# Altium PCB main.PcbDoc (part 2 of 5) (continued)
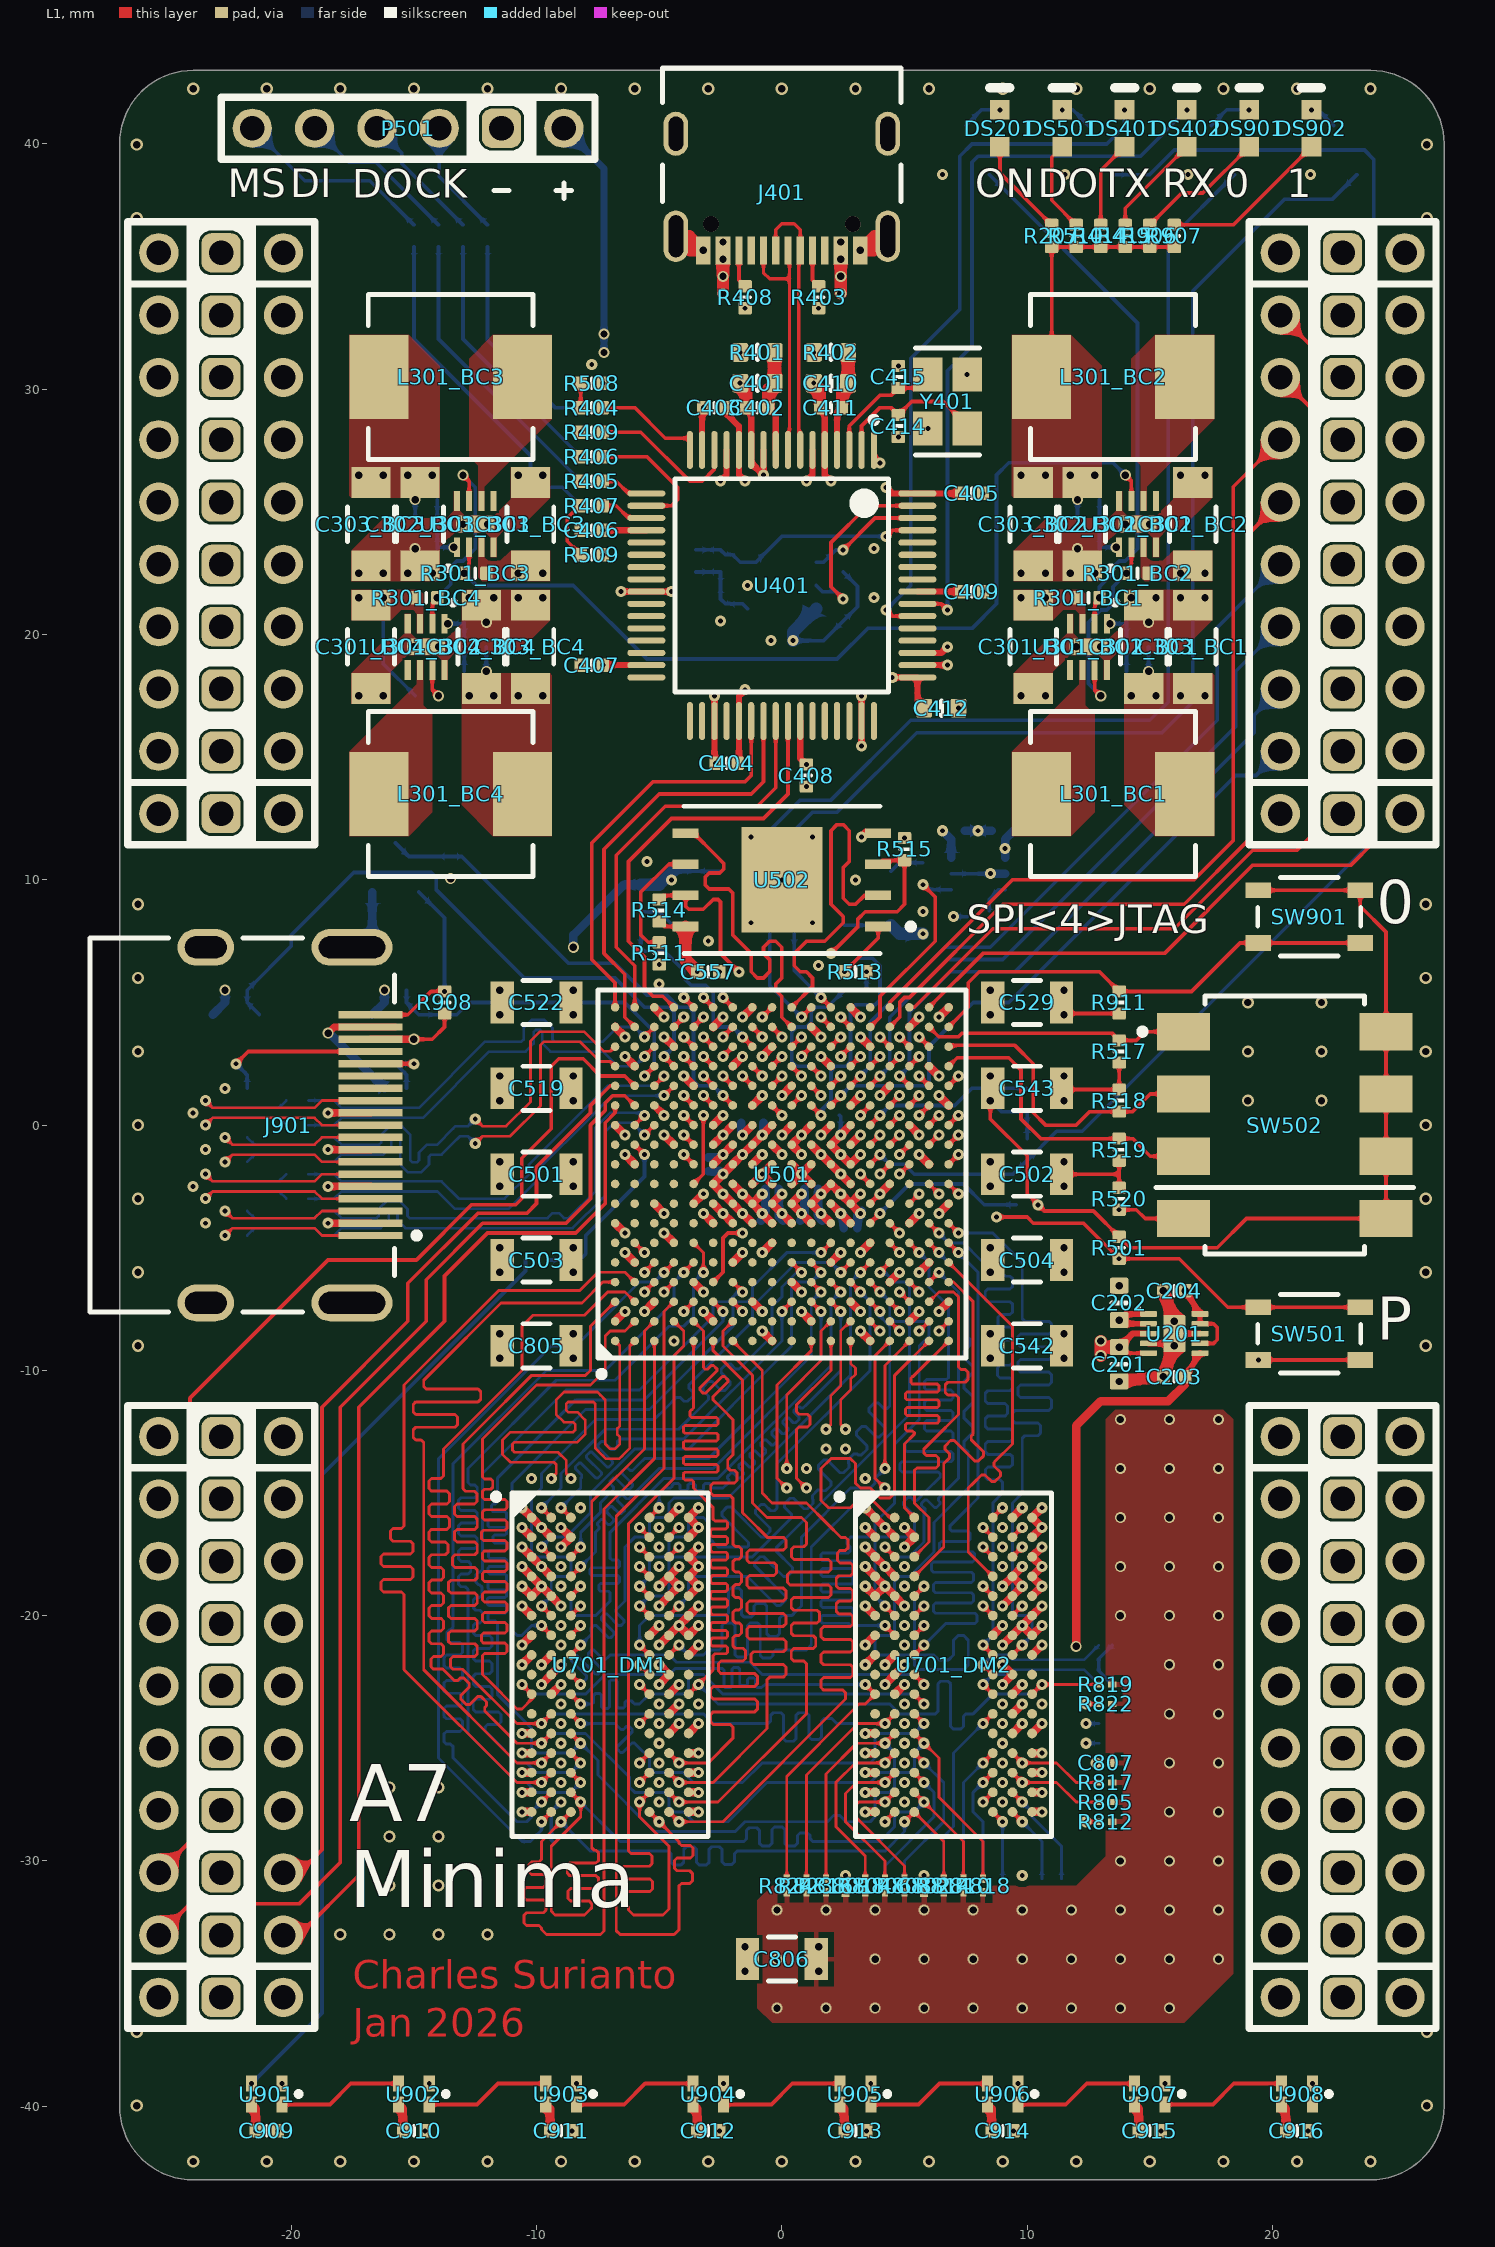
[diagram p0: L1 view]
## Nets (pads, with @x,y where several pads share a name; then routed paths per layer and width w, separated by ;. In a path a pad name is that pad's centre, name@x,y a point inside that pad or via, vN(x,y) a via of type N, cw(c..) or ccw(c..) an arc to the next point about the centre after c; other vN are vias at no path point)
"+0.75 VTT": C201.1 C801.1 C802.1 C803.1 C804.1 C806.1 C807.1 C808.1 C809.1 R801.2 R802.2 R803.2 R804.2 R805.2 R806.2 R807.2 R808.2 R809.2 R810.2 R811.2 R812.2 R813.2 R814.2 R815.2 R816.2 R817.2 R818.2 R819.2 R820.2 R821.2 R822.2 R823.2 R824.2 U201.3 U201.5 | length 4.1
  L1 w0.15: v2(13.75,-9.05) 14,-9.3 U201.5@14.95,-9.3
  L1 w0.25: v2(13.75,-9.05) 14.3,-8.5 U201.3@14.95,-8.5
  L1 w0.5: v2(13,-9.4) 13,-9.1 ; v2(13,-8.8) 13,-9.1 ; v2(13.75,-9.05) 13.05,-9.05 13,-9.1
  other v2: -0.2,-36 1.8,-36 3.8,-36 5.8,-36 7.8,-36 9.8,-36 11.8,-36 13.8,-36 15.8,-36 1.5,-34.5 -0.2,-34 3.8,-34 5.8,-34 7.8,-34 9.8,-34 11.8,-34 13.8,-34 15.8,-34 17.8,-34 1.5,-33.5 -0.2,-32 1.8,-32 3.8,-32 5.8,-32 7.8,-32 9.8,-32 11.8,-32 13.8,-32 15.8,-32 17.8,-32 13.8,-30 15.8,-30 17.8,-30 15.8,-28 17.8,-28 15.8,-26 17.8,-26 15.8,-24 17.8,-24 15.8,-22 17.8,-22 13.8,-20 15.8,-20 17.8,-20 13.8,-18 15.8,-18 17.8,-18 13.8,-16 15.8,-16 17.8,-16 13.8,-14 15.8,-14 17.8,-14 13.8,-12 15.8,-12 17.8,-12
"+0.75 VTTREF": C203.1 U201.6 U701_DM1.H1 U701_DM1.M8 U701_DM2.H1 U701_DM2.M8 | length 46.1
  L1 w0.25: C203.1@16.45,-10.25 U201.6@17.05,-9.3
  L1 w0.35: v5(-10.6,-22) U701_DM1.H1@-10.2,-21.6 ; U701_DM1.M8@-4.6,-24.8 v5(-4.2,-24.4) ; v5(3.4,-22) U701_DM2.H1@3.8,-21.6 ; U701_DM2.M8@9.4,-24.8 v5(9.8,-24.4) ; v7(12,-21.25) 12,-12.25 13,-11.25 15.75,-11.25 16.45,-10.55 C203.1@16.45,-10.25
  L3 w0.2: v5(-10.6,-22) -10.2,-22.4 -7,-22.4 -6.1,-23.3 -5.5,-23.3 -5.4,-23.2 -3.8,-23.2 ; v5(-4.2,-24.4) -4.2,-24.2 -3.8,-23.8 -3.8,-23.2 ; v5(3.4,-22) 3.4,-22.4 ; v5(9.8,-24.4) 10.2,-24 10.2,-23.2 ; v7(12,-21.25) 12,-22 11.1,-22.9 10.8,-23.2 10.2,-23.2 ; -3.8,-23.2 2.2,-23.2 3,-22.4 3.4,-22.4 ; 3.4,-22.4 6.6,-22.4 7.5,-23.3 8.5,-23.3 8.6,-23.2 10.2,-23.2
+1.0: C302_BC4.1 C303_BC4.1 C304_BC4.1 C501.1 C502.1 C503.1 C504.1 C505.1 C506.1 C507.1 C508.1 C509.1 C510.1 C511.1 C512.1 C513.1 C514.1 C515.1 C516.1 C517.1 C518.1 C519.1 C520.1 C521.1 L301_BC4.2 R201.1 U501.F8 U501.F10 U501.G7 U501.G9 U501.G11 U501.H8 U501.J7 U501.J11 U501.K8 U501.L7 U501.L11 U501.M8 U501.M10 U501.N7 U501.N9 U501.N11 | length 16.5
  L1 w0.35: U501.F8@-2.8,-3.2 v1(-2.4,-3.6) U501.G7@-2,-4 ; U501.F10@-2.8,-1.6 v1(-2.4,-1.2) U501.G11@-2,-0.8 ; U501.G9@-2,-2.4 U501.H8@-1.2,-3.2 ; v1(-0.8,-2.8) U501.H8@-1.2,-3.2 ; U501.J7@-0.4,-4 v1(-0.8,-3.6) U501.H8@-1.2,-3.2 ; U501.J11@-0.4,-0.8 v1(0,-1.2) ; v1(0.8,-2.8) U501.K8@0.4,-3.2 v1(0.8,-3.6) U501.L7@1.2,-4 ; U501.L11@1.2,-0.8 U501.M10@2,-1.6 U501.N9@2.8,-2.4 ; U501.M8@2,-3.2 v1(2.4,-3.6) U501.N7@2.8,-4 ; U501.N11@2.8,-0.8 v1(3.2,-0.4)
  L8 w0.15: v2(-12.05,18.5) R201.1@-12.05,19.5
  L8 w0.35: C521.1@-3,-1.32 -2.52,-1.32 v1(-2.4,-1.2) ; C508.1@-0.85,-3.9 -0.68,-3.73 C516.1@-0.68,-3.2 C512.1@-0.68,-2.6 ; C509.1@0.75,-3.9 0.92,-3.73 C517.1@0.92,-3.2 C513.1@0.92,-2.6 ; C510.1@2.35,-3.5 2.52,-3.67 C518.1@2.52,-4.2
  other v1: -1.6,-2.8 2.4,-2 1.6,-1.2
  other v2: -8.5,-6 8.5,-6 -8.5,-5 8.5,-5 -8.5,-2.5 8.5,-2.5 -8.5,-1.5 8.5,-1.5 -8.5,1 -8.5,2 -12.75,17.5 -11.75,17.5 -10.75,17.5 -9.75,17.5
"+1.5 DDR3": C202.1 C302_BC1.1 C303_BC1.1 C304_BC1.1 C536.1 C537.1 C538.1 C539.1 C540.1 C541.1 C542.1 C550.1 C551.1 C552.1 C553.1 C554.1 C555.1 C602.1 C701_DM1.1 C701_DM2.1 C702_DM1.1 C702_DM2.1 C703_DM1.1 C703_DM2.1 C704_DM1.1 C704_DM2.1 C705_DM1.1 C705_DM2.1 C706_DM1.1 C706_DM2.1 C707_DM1.1 C707_DM2.1 C708_DM1.1 C708_DM2.1 C709_DM1.1 C709_DM2.1 C710_DM1.1 C710_DM2.1 C711_DM1.1 C711_DM2.1 C712_DM1.1 C712_DM2.1 C713_DM1.1 C713_DM2.1 C714_DM1.1 C714_DM2.1 C715_DM1.1 C715_DM2.1 C716_DM1.1 C716_DM2.1 C717_DM1.1 C717_DM2.1 C718_DM1.1 C718_DM2.1 C805.1 L301_BC1.2 R209.1 U201.1 U201.2 U501.A7 U501.C3 U501.D6 U501.F2 U501.G5 U501.J1 U501.K4 U501.N3 U501.P6 U501.T2 U501.U5 U501.V8 U601.1 U701_DM1.A1 U701_DM1.A8 U701_DM1.B2 U701_DM1.C1 U701_DM1.C9 U701_DM1.D2 U701_DM1.D9 U701_DM1.E9 U701_DM1.F1 U701_DM1.G7 U701_DM1.H2 U701_DM1.H9 U701_DM1.K2 U701_DM1.K8 U701_DM1.N1 U701_DM1.N9 U701_DM1.R1 U701_DM1.R9 U701_DM2.A1 U701_DM2.A8 U701_DM2.B2 U701_DM2.C1 U701_DM2.C9 U701_DM2.D2 U701_DM2.D9 U701_DM2.E9 U701_DM2.F1 U701_DM2.G7 U701_DM2.H2 U701_DM2.H9 U701_DM2.K2 U701_DM2.K8 U701_DM2.N1 U701_DM2.N9 U701_DM2.R1 U701_DM2.R9 | length 36.3
  L1 w0.24: U201.2@14.95,-8.1 13.9,-8.1 v2(13.75,-7.95) 14,-7.7 U201.1@14.95,-7.7
  L1 w0.35: v1(-10.6,-27.2) U701_DM1.R1@-10.2,-27.2 ; v1(-10.6,-25.6) U701_DM1.N1@-10.2,-25.6 ; v1(-10.6,-19.6) U701_DM1.F1@-10.2,-20 ; v1(-10.6,-17.2) U701_DM1.C1@-10.2,-17.6 v1(-9.8,-18) U701_DM1.D2@-9.4,-18.4 ; v1(-10.6,-15.6) U701_DM1.A1@-10.2,-16 v1(-9.8,-16.4) U701_DM1.B2@-9.4,-16.8 ; v1(-9.8,-22) U701_DM1.H2@-9.4,-21.6 ; U701_DM1.K2@-9.4,-23.2 v1(-9,-22.8) ; U501.A7@-6.8,-4 v1(-6.4,-4.4) ; v1(-5.6,-7.6) U501.C3@-5.2,-7.2 ; U701_DM1.G7@-5.4,-20.8 v1(-5,-20.4) ; v1(-4.8,-4.4) U501.D6@-4.4,-4.8 ; U701_DM1.K8@-4.6,-23.2 v1(-4.2,-22.8) ; U701_DM1.A8@-4.6,-16 v1(-4.2,-15.6) ; U701_DM1.R9@-3.8,-27.2 v1(-3.4,-27.2) ; U701_DM1.N9@-3.8,-25.6 v1(-3.4,-25.6) ; U701_DM1.H9@-3.8,-21.6 v1(-3.4,-21.2) ; U701_DM1.E9@-3.8,-19.2 v1(-3.4,-18.8) U701_DM1.D9@-3.8,-18.4 v1(-3.4,-18) U701_DM1.C9@-3.8,-17.6 v1(-3.4,-17.2) ; v1(-3.2,-7.6) U501.F2@-2.8,-8 ; U501.G5@-2,-5.6 v1(-1.6,-5.2) ; v1(-0.8,-8.4) U501.J1@-0.4,-8.8 ; U501.K4@0.4,-6.4 v1(0.8,-6.8) ; U501.N3@2.8,-7.2 v1(3.2,-7.6) ; v1(3.2,-5.2) U501.P6@3.6,-4.8 ; v1(3.4,-27.2) U701_DM2.R1@3.8,-27.2 ; v1(3.4,-25.6) U701_DM2.N1@3.8,-25.6 ; v1(3.4,-19.6) U701_DM2.F1@3.8,-20 ; v1(3.4,-17.2) U701_DM2.C1@3.8,-17.6 v1(4.2,-18) U701_DM2.D2@4.6,-18.4 ; v1(3.4,-15.6) U701_DM2.A1@3.8,-16 v1(4.2,-16.4) U701_DM2.B2@4.6,-16.8 ; v1(4.2,-22) U701_DM2.H2@4.6,-21.6 ; U701_DM2.K2@4.6,-23.2 v1(5,-22.8) ; U501.T2@5.2,-8 v1(5.6,-7.6) ; v1(5.6,-6) U501.U5@6,-5.6 ; v1(6.4,-3.6) U501.V8@6.8,-3.2 ; U701_DM2.G7@8.6,-20.8 v1(9,-20.4) ; U701_DM2.K8@9.4,-23.2 v1(9.8,-22.8) ; U701_DM2.A8@9.4,-16 v1(9.8,-15.6) ; U701_DM2.R9@10.2,-27.2 v1(10.6,-27.2) ; U701_DM2.N9@10.2,-25.6 v1(10.6,-25.6) ; U701_DM2.H9@10.2,-21.6 v1(10.6,-21.2) ; U701_DM2.E9@10.2,-19.2 v1(10.6,-18.8) U701_DM2.D9@10.2,-18.4 v1(10.6,-18) U701_DM2.C9@10.2,-17.6 v1(10.6,-17.2)
  L4 w0.5: v1(9.1,11.275) 10.275,11.275
  L8 w0.15: v2(14.95,18.5) R209.1@14.95,19.5
  L8 w0.35: U601.1@9.1,10.9 v1(9.1,11.275) 9.1,11.65 C602.1@9.45,12
  other v2: -8.5,-9.5 8.5,-9.5 -8.5,-8.5 8.5,-8.5 14.25,17.5 15.25,17.5 16.25,17.5 17.25,17.5
+1.8: C302_BC3.1 C303_BC3.1 C304_BC3.1 C522.1 C523.1 C524.1 C525.1 C526.1 C527.1 C528.1 L301_BC3.2 R204.1 U501.E8 U501.F12 U501.H10 U501.H12 U501.K12 U501.M12 | length 4.9
  L1 w0.35: U501.E8@-3.6,-3.2 v1(-3.2,-2.8) ; U501.F12@-2.8,0 v1(-2.4,0.4) ; v1(-1.6,-0.4) U501.H12@-1.2,0 ; U501.H10@-1.2,-1.6 v1(-0.8,-1.2) ; v1(0,-0.4) U501.K12@0.4,0 ; v1(1.6,-0.4) U501.M12@2,0
  L8 w0.15: R204.1@-14.95,24.5 v2(-14.95,25.5)
  L8 w0.35: C524.1@-1.65,0.1 -1.65,-0.35 v1(-1.6,-0.4)
  other v2: -8.5,4.5 -8.5,5.5 -17.25,26.5 -16.25,26.5 -15.25,26.5 -14.25,26.5
"+1.8 FTDI_4": C403.1 C404.1 C405.1 C412.1 U401.12 U401.37 U401.49 U401.64 | length 12
  L1 w0.25: C403.1@-2.3,29.25 -2.3,29.05 -1.75,28.5 U401.12@-1.75,27.525 -1.75,26.5 v1(-1.5,26.25) ; C404.1@-1.8,14.75 -1.75,14.8 U401.37@-1.75,16.475 -1.75,17.5 v1(-1.5,17.75) ; v1(4.25,26) 4.5,25.75 U401.64@5.525,25.75 C405.1@7.3,25.75 ; v1(4.5,18.25) U401.49@5.525,18.25 5.525,17.275 C412.1@5.8,17
+3.3: C302_BC2.1 C303_BC2.1 C304_BC2.1 C406.1 C407.1 C408.1 C409.1 C413.1 C529.1 C530.1 C531.1 C532.1 C533.1 C534.1 C535.1 C543.1 C544.1 C545.1 C546.1 C547.1 C548.1 C549.1 C556.1 C557.1 C601.1 C603.1 C604.1 L301_BC2.2 P501.1 Q901.1 Q902.1 R206.1 R207.1 R401.1 R402.1 R409.1 R411.1 R412.1 R413.1 R414.1 R415.1 R501.1 R502.1 R503.1 R508.1 R509.1 R510.1 R512.1 R513.1 R514.1 R515.1 R521.1 R901.2 R902.2 R905.1 R906.1 R907.1 SW502.5 SW502.6 SW502.7 SW502.8 SW901.1 SW901.2 U401.20 U401.31 U401.42 U401.50 U401.56 U402.6 U501.A17 U501.B10 U501.C13 U501.D16 U501.G15 U501.H18 U501.K14 U501.L17 U501.N13 U501.P8 U501.P16 U501.R9 U501.T12 U501.U15 U501.V18 U502.8 U601.6 Y601.1 Y601.4 Y602.1 Y602.4 | length 122.2
  L1 w0.15: R514.1@-5,8.3 -4.795,8.095 U502.8@-3.926,8.095 ; U501.P8@3.6,-3.2 v1(4,-2.8) ; v2(8.5,1) 8.5,0.25 10,-1.25 10,-2.8 v1(10.45,-3.25) 10.7,-3.5 12.7,-3.5 R501.1@13.75,-4.55 14.2,-5 17.75,-5 18.94,-3.81 SW502.5@24.63,-3.81 SW502.6@24.63,-1.27 SW502.7@24.63,1.27 SW502.8@24.63,3.81 24.63,7.87 23.575,8.925 SW901.2@23.575,9.575 SW901.1@19.425,9.575 ; L301_BC2.2@10.579,30.5 11,30.921 R207.1@11,35.8 R510.1@12,35.8 R414.1@13,35.8 R415.1@14,35.8 R906.1@15,35.8 R907.1@16,35.8
  L1 w0.25: v1(-7.3,18.75) U401.31@-5.525,18.75 ; v1(-7.3,24.25) U401.20@-5.525,24.25 ; U401.42@0.75,16.475 0.75,14.95 v1(1,14.7) ; U401.50@5.525,18.75 v1(6.75,18.75) ; U401.56@5.525,21.75 v1(7.3,21.75)
  L1 w0.3: U501.C13@-5.2,0.8 v1(-4.8,0.4)
  L1 w0.35: U501.A17@-6.8,4 v1(-6.4,3.6) ; v1(-6.4,-1.2) U501.B10@-6,-1.6 ; v1(-4.8,3.6) U501.D16@-4.4,3.2 ; U501.G15@-2,2.4 v1(-1.6,2.8) ; v1(-1.6,4.4) U501.H18@-1.2,4.8 ; v1(0,1.2) U501.K14@0.4,1.6 ; U501.L17@1.2,4 v1(1.6,3.6) ; U501.N13@2.8,0.8 v1(3.2,1.2) ; v1(3.2,3.6) U501.P16@3.6,3.2 ; v1(4,-2.8) U501.R9@4.4,-2.4 ; U501.T12@5.2,0 v1(5.6,-0.4) ; U501.U15@6,2.4 v1(6.4,2) ; v1(6.4,4.4) U501.V18@6.8,4.8
  L1 w0.5: U502.8@-3.926,8.095 -3.926,6.726 v1(-3.45,6.25)
  L3 w0.35: v2(-22.7,5.5) v2(-16.2,5.5) -15.25,5.5 -13.5,7.25 ; v2(-13.5,10.05) -13.5,7.25 ; v2(-8.5,7.25) -13.5,7.25
  L8 w0.15: Y602.4@-4.45,10.35 Y602.1@-2.55,10.35 ; v1(0.45,19.75) 1.7,19.75 R411.1@2.5,20.55 3.086,21.136 3.086,21.964 R413.1@2.5,22.55 ; Y601.1@2.55,8.15 Y601.4@4.45,8.15 ; R521.1@3.45,5.5 v1(3.45,6.25) ; v2(8.5,1) 8.95,0.55 R512.1@10,0.55 R503.1@10,-0.55 ; R206.1@12.05,24.5 v2(12.05,25.5)
  L8 w0.3: P501.1@-8.89,40.64 -7.25,39 v2(-7.25,32.25) v2(-7.25,31.5)
  L8 w0.35: Q902.1@-23.2,4.5 -22.7,5 v2(-22.7,5.5) ; Q901.1@-16.7,4.5 -16.2,5 v2(-16.2,5.5) ; v2(-8.5,7.25) -8.5,7.75 -6.45,9.8 C604.1@-5.75,9.8 ; v1(6.55,12) 6.9,11.65 U601.6@6.9,10.9
  L8 w0.5: C604.1@-5.75,9.8 -5,9.8 Y602.4@-4.45,10.35 ; v1(0.45,19.75) 0.45,20.1 U402.6@1.4,21.05 ; Y601.4@4.45,8.15 4.8,7.8 v1(5.75,7.8)
  other v1: -4.5,10 5,11.7 -2.5,20.55 -7.3,23.25 -8.2,28.25 -7.3,30.25 -1.7,31.5 1.3,31.5
  other v2: 8.5,2 8.5,4.5 8.5,5.5 9.75,26.5 10.75,26.5 11.75,26.5 12.75,26.5
"+5 USB": C204.1 C301_BC1.1 C301_BC2.1 C301_BC3.1 C301_BC4.1 C909.1 C910.1 C911.1 C912.1 C913.1 C914.1 C915.1 C916.1 J401.A4-B9 J401.B4-A9 J901.18 J1001.1 J1001.10 J1002.1 J1002.10 J1003.1 J1003.10 J1004.1 J1004.10 J1005.1 J1005.10 J1006.1 J1006.10 J1007.1 J1007.10 J1008.1 J1008.10 R202.1 R301_BC1.1 R301_BC2.1 R301_BC3.1 R301_BC4.1 R903.1 R904.1 U201.7 U201.9 U201.10 U301_BC1.3 U301_BC2.3 U301_BC3.3 U301_BC4.3 U901.3 U902.3 U903.3 U904.3 U905.3 U906.3 U907.3 U908.3 | length 26.5
  L1 w0.15: U201.7@17.05,-8.9 17.6,-8.9 17.75,-8.75 17.75,-8.25 17.6,-8.1 U201.9@17.05,-8.1 U201.10@17.05,-7.7
  L1 w0.25: v2(16.45,-6.75) U201.10@17.05,-7.7
  L1 w0.3: v2(-18.5,3.75) -18.25,4 J901.18@-15.765,4
  L1 w0.35: U901.3@-21.625,-39.925 -21.45,-40.1 v1(-21.45,-41) ; U902.3@-15.625,-39.925 -15.45,-40.1 v1(-15.45,-41) ; U903.3@-9.625,-39.925 -9.45,-40.1 v1(-9.45,-41) ; U904.3@-3.625,-39.925 -3.45,-40.1 v1(-3.45,-41) ; U905.3@2.375,-39.925 2.55,-40.1 v1(2.55,-41) ; U906.3@8.375,-39.925 8.55,-40.1 v1(8.55,-41) ; U907.3@14.375,-39.925 14.55,-40.1 v1(14.55,-41) ; U908.3@20.375,-39.925 20.55,-40.1 v1(20.55,-41)
  L1 w0.5: v2(-2.4,33.9) v2(-2.4,34.6) v2(-2.4,35.3) J401.B4-A9@-2.4,35.66 ; v2(2.4,33.9) v2(2.4,34.6) v2(2.4,35.3)
  L8 w0.15: v2(-16.25,21.5) -16.25,18.8 R202.1@-14.95,17.5
  L8 w0.35: v2(-18.5,3.75) -18.45,3.75 R903.1@-16.2,1.5
  other v1: -22.7,1.5
  other v2: -17.25,21.5 9.75,21.5 10.75,21.5 -10.75,22.5 -9.75,22.5 16.25,22.5 17.25,22.5 -2.4,36 2.4,36
BUTTON_1: R911.1 SW901.3 SW901.4 U501.V17 | length 19.5
  L1 w0.15: U501.V17@6.8,4 7.6,4.8 7.6,5.8 8.05,6.25 12.95,6.25 13.55,5.65 13.55,5.625 13.725,5.45 R911.1@13.75,5.45 16.7,5.45 18.675,7.425 SW901.3@19.425,7.425 SW901.4@23.575,7.425
CC1_4: J401.A5 R403.1 | length 1.6
  L1 w0.15: J401.A5@1.25,35.66 1.25,34.45 R403.1@1.5,34.2
CC2_4: J401.B5 R408.1 | length 1.6
  L1 w0.15: J401.B5@-1.75,35.66 -1.75,34.45 R408.1@-1.5,34.2
CCLK_6: R511.1 U501.E9 | length 10
  L1 w0.15: U501.E9@-3.6,-2.4 -3.2,-2 v3(-3.2,0.4)
  L6 w0.15: v3(-5,6.55) -4.05,5.6 -3.8,5.6 -3.6,5.4 -3.6,0.8 v3(-3.2,0.4)
CLK27M_1: R603.2 U501.H16 | length 7.7
  L1 w0.15: v1(-1.6,3.6) U501.H16@-1.2,3.2
  L8 w0.15: R603.2@-5.75,7.8 -5.75,7.25 -5.588,7.088 -4.788,7.088 -4,6.3 -4,6 -3.7,5.7 -3.1,5.7 -3,5.6 -2.8,5.4 -2.8,4.2 -2.6,4 -2,4 v1(-1.6,3.6)
CLK50M1V5_1: R602.2 U501.F4 | length 21
  L1 w0.15: U501.F4@-2.8,-6.4 -2.4,-6 -2.4,-4.6 -2.2,-4.4 v3(-1.6,-4.4)
  L6 w0.15: v3(-1.6,-4.4) -1.2,-4 -1.2,-3.4 -1,-3.2 -0.6,-3.2 -0.4,-3 -0.4,-2.4 0.4,-1.6 0.4,-1 0.6,-0.8 1,-0.8 1.2,-0.6 1.2,3 1.4,3.2 1.8,3.2 2,3.4 2,3.8 2.2,4 2.6,4 2.8,4.2 2.8,4.6 3,4.8 3.3,4.8 4.1,5.6 v3(7,8.5)
  L8 w0.15: v3(7,8.5) R602.2@7.55,8.5
CLK50M_1: R601.2 U501.P17 U601.4 | length 8.3
  L1 w0.15: U501.P17@3.6,4 4,4.4 4,5.25 6.25,7.5 6.25,9.3 v1(5.75,9.8)
  L8 w0.15: v1(5.75,9.8) 5.95,9.6 U601.4@6.9,9.6
CON_CLK_12_N: C908.2 J901.12 | length 10.5
  L1 w0.108: v1(-23.5,1) -23.204,0.704 -19.046,0.704 -18.75,1 J901.12@-16.765,1
  L8 w0.108: v1(-23.5,1) -23.204,0.704 -20.496,0.704 C908.2@-20.2,1
CON_CLK_12_P: C907.2 J901.10 | length 10.5
  L1 w0.108: v1(-23.5,0) -23.204,0.296 -19.046,0.296 -18.75,0 J901.10@-16.765,0
  L8 w0.108: v1(-23.5,0) -23.204,0.296 -20.496,0.296 C907.2@-20.2,0
CON_D0_12_N: C906.2 J901.9 | length 6.2
  L1 w0.108: v1(-22.7,-0.5) -22.404,-0.796 -19.046,-0.796 -18.75,-0.5 J901.9@-16.765,-0.5
CON_D0_12_P: C905.2 J901.7 | length 6.2
  L1 w0.108: v1(-22.7,-1.5) -22.404,-1.204 -19.046,-1.204 -18.75,-1.5 J901.7@-16.765,-1.5
CON_D1_12_N: C904.2 J901.6 | length 10.5
  L1 w0.108: v1(-23.5,-2) -23.204,-2.296 -19.046,-2.296 -18.75,-2 J901.6@-16.765,-2
  L8 w0.108: v1(-23.5,-2) -23.204,-2.296 -20.496,-2.296 C904.2@-20.2,-2
CON_D1_12_P: C903.2 J901.4 | length 10.5
  L1 w0.108: v1(-23.5,-3) -23.204,-2.704 -19.046,-2.704 -18.75,-3 J901.4@-16.765,-3
  L8 w0.108: v1(-23.5,-3) -23.204,-2.704 -20.496,-2.704 C903.2@-20.2,-3
CON_D2_12_N: C902.2 J901.3 | length 6.2
  L1 w0.108: v1(-22.7,-3.5) -22.404,-3.796 -19.046,-3.796 -18.75,-3.5 J901.3@-16.765,-3.5
CON_D2_12_P: C901.2 J901.1 | length 6.2
  L1 w0.108: v1(-22.7,-4.5) -22.404,-4.204 -19.046,-4.204 -18.75,-4.5 J901.1@-16.765,-4.5
CON_HPD_12: J901.19 Q903.1 R908.1 | length 7.9
  L1 w0.15: J901.19@-16.765,4.5 -15.25,4.5 -14.3,5.45 v1(-13.75,5.45)
  L8 w0.15: Q903.1@-14.8,9.5 -13.75,8.45 v1(-13.75,5.45)
CON_SCL_12: J901.15 Q901.3 R903.2 | length 3.7
  L1 w0.15: J901.15@-16.765,2.5 v1(-15,2.5)
  L8 w0.15: R903.2@-15.3,1.5 -15.3,2.05 Q901.3@-15.75,2.5 v1(-15,2.5)
CON_SDA_12: J901.16 Q902.3 R904.2 | length 6.9
  L1 w0.15: v1(-22.25,2.5) -21.75,3 J901.16@-16.765,3
  L8 w0.15: v1(-22.25,2.5) -21.8,2.05 R904.2@-21.8,1.5
CS/TMS_4: R407.2 U401.19 | length 2
  L1 w0.15: R407.2@-7.3,25.25 -6.75,25.25 -6.25,24.75 U401.19@-5.525,24.75
DDRADR.A0: R801.1 U501.G4 U701_DM1.N3 U701_DM2.N3 | length 59.1
  L1 w0.118: U701_DM1.N3@-8.6,-25.6 v5(-8.2,-26) ; U501.G4@-2,-6.4 v1(-1.6,-6.8) ; U701_DM2.N3@5.4,-25.6 v5(5.8,-26)
  L3 w0.126: v5(-8.2,-26) -7.8,-26.4 -4.8,-26.4 -4.6,-26.2 -4.6,-25.8 -4.4,-25.6 -4,-25.6 -3.6,-25.2 -1.4,-25.2 -0.811,-25.2 -0.705,-25.305 -0.705,-25.614 -0.6,-25.719 -0.284,-25.719 -0.179,-25.614 -0.179,-25.305 -0.074,-25.2 0.27,-25.2 3.6,-25.2 4,-25.6 5.4,-25.6 v5(5.8,-26)
  L8 w0.118: v5(-8.2,-26) -8.6,-26.4 -10,-26.4 -10.4,-26 -10.8,-26 -11.78,-25.02 -12.108,-24.692 -12.108,-24.546 -12.004,-24.442 -11.549,-24.442 -11.445,-24.338 -11.445,-24.027 -11.549,-23.924 -12.478,-23.924 -12.582,-23.82 -12.582,-23.509 -12.478,-23.405 -11.922,-23.405 -11.818,-23.302 -11.818,-22.991 -11.922,-22.887 -12.478,-22.887 -12.582,-22.783 -12.582,-22.472 -12.478,-22.368 -11.922,-22.368 -11.818,-22.265 -11.818,-21.954 -11.922,-21.85 -12.478,-21.85 -12.582,-21.746 -12.582,-21.435 -12.478,-21.332 -11.922,-21.332 -11.818,-21.228 -11.818,-20.917 -11.922,-20.813 -12.478,-20.813 -12.582,-20.71 -12.582,-20.399 -12.478,-20.295 -12.304,-20.295 -12.2,-20.191 -12.2,-19.88 -12.304,-19.776 -12.478,-19.776 -12.582,-19.673 -12.582,-19.362 -12.478,-19.258 -12.321,-19.258 -12.217,-19.154 -12.217,-18.843 -12.321,-18.74 -12.364,-18.74 -12.467,-18.636 -12.467,-18.325 -12.364,-18.221 -12.304,-18.221 -12.2,-18.118 -12.2,-15.635 -12.2,-14.2 -8.8,-10.8 -5.8,-10.8 -2.8,-7.8 -2.8,-7.4 -2.6,-7.2 -2.2,-7.2 -1.8,-6.8 v1(-1.6,-6.8) ; R801.1@5,-30.725 5,-30 6.6,-28.4 6.6,-26.8 v5(5.8,-26)
DDRADR.A1: R802.1 U501.B6 U701_DM1.P7 U701_DM2.P7 | length 52.8
  L1 w0.118: U501.B6@-6,-4.8 v3(-5.6,-5.2) ; v6(-5.8,-26.8) U701_DM1.P7@-5.4,-26.4 ; v5(8.2,-26.8) U701_DM2.P7@8.6,-26.4
  L3 w0.126: v6(-5.8,-26.8) -5.4,-27.2 -4.8,-27.2 -4.6,-27 -4.6,-26.6 -4.4,-26.4 -4,-26.4 -3.6,-26 -2.6,-26 -2.537,-26 -2.432,-25.895 -2.432,-25.621 -2.326,-25.515 -2.011,-25.515 -1.905,-25.621 -1.905,-25.895 -1.8,-26 -1.151,-26 3.6,-26 4,-26.4 7.8,-26.4 v5(8.2,-26.8)
  L6 w0.126: v6(-5.8,-26.8) -7.8,-26.4 -10,-26.4 -10.4,-26 -10.8,-26 -11.1,-25.7 -13.8,-23 -13.8,-13.577 -9.8,-9.577 -9.8,-9 -8.8,-8 -8.4,-8 v3(-5.6,-5.2)
  L8 w0.118: R802.1@8.2,-30.725 8.2,-29.1 8.2,-28.4 7.8,-28 7.8,-27.2 v5(8.2,-26.8)
DDRADR.A2: R803.1 U501.E6 U701_DM1.P3 U701_DM2.P3 | length 58.2
  L1 w0.118: U701_DM1.P3@-8.6,-26.4 v5(-8.2,-26.8) ; U501.E6@-3.6,-4.8 -3.2,-5.2 v1(-3.2,-6) ; U701_DM2.P3@5.4,-26.4 v5(5.8,-26.8)
  L3 w0.126: v5(-8.2,-26.8) -7,-28 -4.8,-28 -4.6,-27.8 -4.6,-27.4 -4.4,-27.2 -4,-27.2 -3.6,-26.8 -1.2,-26.8 -1.137,-26.8 -1.032,-26.695 -1.032,-26.552 -0.926,-26.446 -0.611,-26.446 -0.505,-26.552 -0.505,-26.695 -0.4,-26.8 0.038,-26.8 3.6,-26.8 4,-27.2 5.4,-27.2 v5(5.8,-26.8)
  L8 w0.118: v5(-8.2,-26.8) -8.6,-27.2 -10,-27.2 -10.4,-26.8 -10.8,-26.8 -12.8,-24.8 -12.8,-18.984 -12.8,-18.924 -12.904,-18.821 -13.078,-18.821 -13.182,-18.717 -13.182,-18.406 -13.078,-18.302 -12.788,-18.302 -12.684,-18.199 -12.684,-17.888 -12.788,-17.784 -13.078,-17.784 -13.182,-17.68 -13.182,-17.369 -13.078,-17.266 -12.522,-17.266 -12.418,-17.162 -12.418,-16.851 -12.522,-16.747 -13.078,-16.747 -13.182,-16.644 -13.182,-16.332 -13.078,-16.229 -12.522,-16.229 -12.418,-16.125 -12.418,-15.814 -12.522,-15.71 -13.078,-15.71 -13.182,-15.607 -13.182,-15.296 -13.078,-15.192 -12.522,-15.192 -12.418,-15.088 -12.418,-14.777 -12.522,-14.674 -12.696,-14.674 -12.8,-14.57 -12.8,-14.4 -12.8,-14 -9.2,-10.4 -6.8,-10.4 -4.6,-8.2 -4,-8.2 -3.6,-7.8 -3.6,-6.4 v1(-3.2,-6) ; R803.1@4.2,-30.725 4.2,-30.2 6.2,-28.2 6.2,-27.2 v5(5.8,-26.8)
DDRADR.A3: R804.1 U501.A4 U701_DM1.N2 U701_DM2.N2 | length 60
  L1 w0.118: U701_DM1.N2@-9.4,-25.6 v3(-9.8,-26) -10.8,-26 -14.6,-22.2 -14.6,-13 -14.6,-12.941 -14.704,-12.837 -14.923,-12.837 -15.027,-12.733 -15.027,-12.422 -14.923,-12.319 -13.331,-12.319 -13.228,-12.215 -13.228,-11.904 -13.331,-11.8 -14.923,-11.8 -15.027,-11.697 -15.027,-11.386 -14.923,-11.282 -12.381,-11.282 -12.277,-11.178 -12.277,-10.867 -12.381,-10.764 -14.496,-10.764 -14.6,-10.66 -14.6,-10.4 -14.231,-10.031 -11.45,-7.25 -8.15,-7.25 -7.3,-6.4 U501.A4@-6.8,-6.4 ; R804.1@3.4,-30.725 3.4,-29.8 2.2,-28.6 2.2,-26.8 3,-26 v3(4.2,-26) U701_DM2.N2@4.6,-25.6
  L6 w0.126: v3(-9.8,-26) -9.4,-25.6 -6.8,-25.6 -6,-26.4 -4,-26.4 -3.6,-26 -1,-26 -0.937,-26 -0.832,-25.895 -0.832,-25.692 -0.726,-25.587 -0.411,-25.587 -0.305,-25.692 -0.305,-25.895 -0.2,-26 0.19,-26 2.4,-26 3.2,-25.2 3.6,-25.2 3.8,-25.4 3.8,-25.6 v3(4.2,-26)
DDRADR.A4: R805.1 U501.F1 U701_DM1.P8 U701_DM2.P8 | length 56.8
  L1 w0.118: U701_DM1.P8@-4.6,-26.4 v3(-4.2,-26.8) -2.8,-26.8 -0.6,-24.6 -0.6,-23.188 -0.6,-22.611 -0.496,-22.507 0.06,-22.507 0.163,-22.403 0.163,-22.092 0.06,-21.989 -1.156,-21.989 -1.26,-21.885 -1.26,-21.574 -1.156,-21.47 0.06,-21.47 0.163,-21.366 0.163,-21.055 0.06,-20.952 -1.319,-20.952 -1.422,-20.848 -1.422,-20.537 -1.319,-20.433 0.06,-20.433 0.163,-20.33 0.163,-20.019 0.06,-19.915 -1.319,-19.915 -1.422,-19.811 -1.422,-19.5 -1.319,-19.397 0.06,-19.397 0.163,-19.293 0.163,-18.982 0.06,-18.878 -1.319,-18.878 -1.422,-18.774 -1.422,-18.463 -1.319,-18.36 -0.322,-18.36 -0.218,-18.256 -0.218,-17.945 -0.322,-17.841 -1.319,-17.841 -1.422,-17.738 -1.422,-17.427 -1.319,-17.323 0.06,-17.323 0.163,-17.219 0.163,-16.908 0.06,-16.805 -0.595,-16.805 -1.402,-15.998 -1.6,-15.8 -1.6,-10.4 -2.8,-9.2 U501.F1@-2.8,-8.8 ; U701_DM2.P8@9.4,-26.4 v3(9.8,-26.8) 11.2,-26.8 12,-27.6 R805.1@12.925,-27.6
  L6 w0.126: v3(-4.2,-26.8) -2.2,-26.8 -2.137,-26.8 -2.032,-26.695 -2.032,-26.383 -1.926,-26.277 -1.611,-26.277 -1.505,-26.383 -1.505,-27.064 -1.4,-27.169 -1.084,-27.169 -0.979,-27.064 -0.979,-26.905 -0.874,-26.8 -0.578,-26.8 2.4,-26.8 3.2,-26 3.6,-26 4,-26.4 9.4,-26.4 v3(9.8,-26.8)
DDRADR.A5: R806.1 U501.B4 U701_DM1.P2 U701_DM2.P2 | length 59.3
  L1 w0.118: U701_DM1.P2@-9.4,-26.4 v3(-9.8,-26.8) -10.8,-26.8 -15.4,-22.2 -15.4,-19.2 -15.4,-19.141 -15.504,-19.037 -16.238,-19.037 -16.342,-18.933 -16.342,-18.622 -16.238,-18.519 -15.142,-18.519 -15.038,-18.415 -15.038,-18.104 -15.142,-18 -16.238,-18 -16.342,-17.897 -16.342,-17.586 -16.238,-17.482 -15.142,-17.482 -15.038,-17.378 -15.038,-17.067 -15.142,-16.964 -15.856,-16.964 -15.959,-16.86 -15.959,-16.549 -15.856,-16.445 -15.504,-16.445 -15.4,-16.341 -15.4,-15.805 -15.4,-10.6 -11.55,-6.75 -8.25,-6.75 -7.5,-6 -6.4,-6 U501.B4@-6,-6.4 ; R806.1@4.2,-30.725 4.2,-30 2.6,-28.4 2.6,-27.25 3.05,-26.8 v3(4.2,-26.8) U701_DM2.P2@4.6,-26.4
  L6 w0.126: v3(-9.8,-26.8) -9.4,-27.2 -4,-27.2 -3.6,-27.6 -2.8,-27.6 -2.737,-27.6 -2.632,-27.495 -2.632,-27.241 -2.526,-27.136 -2.211,-27.136 -2.105,-27.241 -2.105,-27.895 -2,-28.001 -1.684,-28.001 -1.579,-27.895 -1.579,-27.705 -1.474,-27.6 -1.26,-27.6 2.4,-27.6 3.2,-26.8 v3(4.2,-26.8)
DDRADR.A6: R807.1 U501.G2 U701_DM1.R8 U701_DM2.R8 | length 57.1
  L1 w0.118: U701_DM1.R8@-4.6,-27.2 v5(-4.2,-27.6) -2.6,-27.6 1,-24 1,-22.016 1,-21.957 0.896,-21.853 0.485,-21.853 0.382,-21.75 0.382,-21.439 0.485,-21.335 1.278,-21.335 1.382,-21.231 1.382,-20.92 1.278,-20.816 0.485,-20.816 0.382,-20.713 0.382,-20.402 0.485,-20.298 1.438,-20.298 1.542,-20.194 1.542,-19.883 1.438,-19.78 0.485,-19.78 0.382,-19.676 0.382,-19.365 0.485,-19.261 1.896,-19.261 2,-19.158 2,-18.847 1.896,-18.743 0.337,-18.743 0.233,-18.639 0.233,-18.328 0.337,-18.224 1.896,-18.224 2,-18.121 2,-17.81 1.896,-17.706 0.493,-17.706 0.389,-17.602 0.389,-17.291 0.493,-17.188 0.896,-17.188 1,-17.084 1,-16.6 1,-16.2 0.8,-16 -0.6,-16 -1.2,-15.4 -1.2,-10.2 -2.4,-9 -2.4,-8.4 U501.G2@-2,-8 ; U701_DM2.R8@9.4,-27.2 v5(9.8,-27.6)
  L3 w0.126: v5(-4.2,-27.6) -2.6,-27.6 -2.537,-27.6 -2.432,-27.495 -2.432,-27.131 -2.326,-27.026 -2.011,-27.026 -1.905,-27.131 -1.905,-27.802 -1.8,-27.907 -1.484,-27.907 -1.379,-27.802 -1.379,-27.495 -1.274,-27.389 -0.958,-27.389 -0.853,-27.495 -0.748,-27.6 -0.178,-27.6 3.6,-27.6 4,-28 9.4,-28 v5(9.8,-27.6)
  L8 w0.118: v5(9.8,-27.6) 10.2,-28 10.2,-28.2 11.4,-29.4 R807.1@11.4,-30.725
DDRADR.A7: R808.1 U501.E5 U701_DM1.R2 U701_DM2.R2 | length 58.4
  L1 w0.118: v3(-9.8,-27.6) U701_DM1.R2@-9.4,-27.2 ; v1(-4,-6) U501.E5@-3.6,-5.6 ; U701_DM2.R2@4.6,-27.2 v3(4.2,-27.6) 3.15,-27.6 3,-27.75 3,-28.2 5,-30.2 R808.1@5,-30.725
  L6 w0.126: v3(-9.8,-27.6) -9.4,-28 -8.05,-28 -7.461,-28 -7.355,-28.105 -7.355,-28.562 -7.25,-28.667 -6.934,-28.667 -6.829,-28.562 -6.829,-28.23 -6.724,-28.125 -6.575,-28.125 -6.389,-28.311 -5.9,-28.8 3.2,-28.8 3.8,-28.2 3.8,-28 v3(4.2,-27.6)
  L8 w0.118: v3(-9.8,-27.6) -10.2,-28 -10.2,-28.2 -10.4,-28.4 -10.8,-28.4 -13.4,-25.8 -13.4,-25.4 -13.4,-25.341 -13.504,-25.237 -13.678,-25.237 -13.782,-25.133 -13.782,-24.822 -13.678,-24.719 -13.122,-24.719 -13.018,-24.615 -13.018,-24.304 -13.122,-24.2 -13.678,-24.2 -13.782,-24.097 -13.782,-23.786 -13.678,-23.682 -13.122,-23.682 -13.018,-23.578 -13.018,-23.267 -13.122,-23.164 -13.678,-23.164 -13.782,-23.06 -13.782,-22.749 -13.678,-22.645 -13.122,-22.645 -13.018,-22.541 -13.018,-22.23 -13.122,-22.127 -13.678,-22.127 -13.782,-22.023 -13.782,-21.712 -13.678,-21.608 -13.122,-21.608 -13.018,-21.505 -13.018,-21.194 -13.122,-21.09 -13.547,-21.09 -13.65,-20.986 -13.65,-20.675 -13.547,-20.572 -13.504,-20.572 -13.4,-20.468 -13.4,-19.747 -13.4,-13.8 -9.6,-10 -7.2,-10 -4.4,-7.2 -4.4,-6.4 v1(-4,-6)